# Altium PCB Layout.PcbDoc (part 3 of 4) (continued)
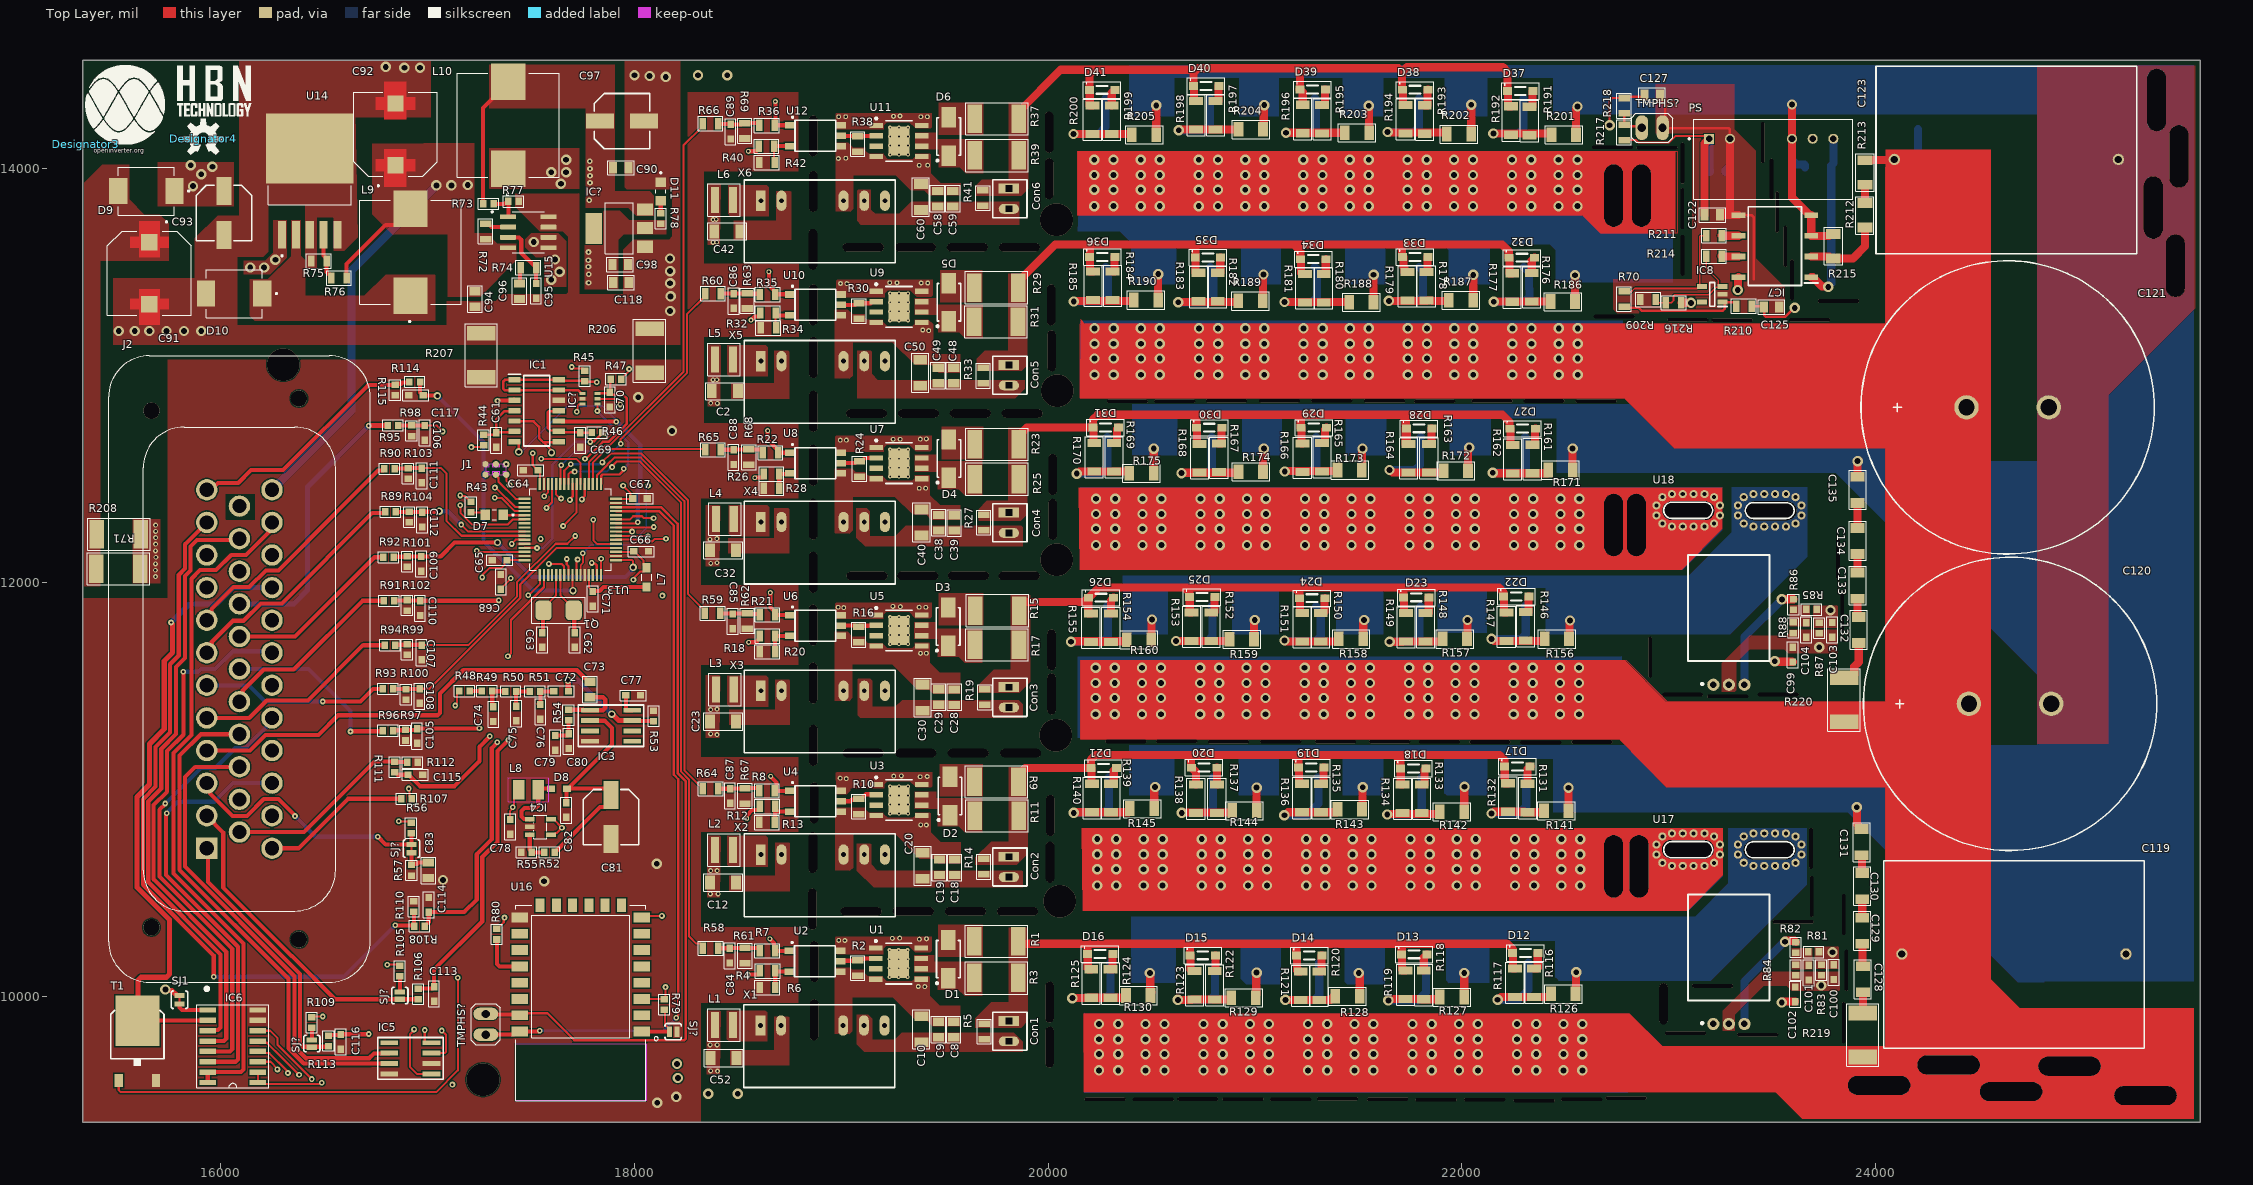
[diagram p0: Top Layer view]
## Nets (pads, with @x,y where several pads share a name; then routed paths per layer and width w, separated by ;. In a path a pad name is that pad's centre, name@x,y a point inside that pad or via, vN(x,y) a via of type N, cw(c..) or ccw(c..) an arc to the next point about the centre after c; other vN are vias at no path point) (continued)
NetQ26_1: Q26.1 R184.2 R185.2 R190.2 | length 616.5
  Top Layer w39.37: v1(20123.89,13356.56) 20125.92,13358.59 20409.7,13358.59 20413.64,13362.53 R190.2@20413.64,13364.35
  Bottom Layer w39.37: v1(20123.89,13356.56) 20265.17,13356.56 20288.23,13379.62 20288.23,13514.35 Q26.1@20278.46,13524.12
NetQ27_1: Q27.1 R191.2 R192.2 R201.2 | length 587.1
  Top Layer w39.37: v1(22151.76,14168.48) 22429.05,14168.48 22432.99,14164.55 R201.2@22432.99,14162.4
  Bottom Layer w39.37: v1(22151.76,14168.48) 22273.48,14168.48 22296.54,14191.55 Q27.1@22296.54,14339.3
NetQ28_1: Q28.1 R193.2 R194.2 R202.2 | length 593
  Top Layer w39.37: v1(21640.51,14176.27) 21642.55,14174.24 21922.54,14174.24 21926.48,14170.3 R202.2@21926.48,14166.34
  Bottom Layer w39.37: v1(21640.51,14176.27) 21768.53,14176.27 21791.6,14199.33 Q28.1@21791.6,14339.3
NetQ29_1: Q29.1 R195.2 R196.2 R203.2 | length 584.1
  Top Layer w39.37: v1(21149.81,14171.85) 21149.95,14171.98 21433.33,14171.98 R203.2@21433.46,14172.11
  Bottom Layer w39.37: v1(21149.81,14171.85) 21270.63,14171.85 21293.7,14194.91 21293.7,14333.24 Q29.1@21287.64,14339.3
NetQ30_1: Q30.1 R197.2 R198.2 R204.2 | length 583.8
  Top Layer w39.37: v1(20631.31,14184.47) 20634.18,14184.47 20638.42,14188.71 R198.2@20715.04,14188.71 20794.47,14188.71 20795.15,14188.03 R197.2@20808.93,14188.03 20919.46,14188.03 R204.2@20920.14,14188.71
  Bottom Layer w39.37: v1(20631.31,14184.47) 20759.63,14184.47 20782.69,14207.53 Q30.1@20782.69,14339.3
NetQ31_1: Q31.1 R199.2 R200.2 R205.2 | length 579
  Top Layer w39.37: v1(20122.52,14166.2) 20122.91,14166.6 R200.2@20214.28,14166.6 ; R200.2@20228.06,14166.59 R199.2@20307.17,14166.59 20400.68,14166.59 R205.2@20404.62,14162.66
  Bottom Layer w39.37: v1(20122.52,14166.2) 20244.56,14166.2 20277.74,14199.39 Q31.1@20277.74,14339.3
NetR2_2: R2.2 U1.2 U2.4 | length 175.8
  Top Layer w20: U2.4@18997.05,10168.86 18999.13,10170.94 19077.84,10170.94 R2.2@19079.93,10173.03 19085.67,10178.78 19113.97,10178.78 19117.48,10182.28 U1.2@19167.32,10182.28
NetR4_1: pad.6@18550.61,10104.47 pad.6@18658.82,11061.95 R4.1 R8.2 U4.1 | length 1245.3
  Top Layer w20: pad.6@18550.61,10104.47 18574.54,10104.46 18601.31,10104.46 18607.06,10110.21 R4.1@18607.06,10120.76 ; pad.6@18658.82,11061.95 18658.82,11061.17 18687.99,11032 18687.99,10992.09 U4.1@18750.98,10992.09
  Mid 1 w20: pad.6@18550.61,10104.47 18516.01,10139.07 18516.01,10878.7 18658.82,11021.51 pad.6@18658.82,11061.95
NetR4_2: R4.2 R6.2 U2.2 | length 148.3
  Top Layer w20: R6.2@18680.19,10041.8 18681.02,10042.64 18681.02,10116.78 18678.94,10118.86 U2.2@18749.02,10118.86
NetR7_2: pad.6@18543.8,10858.5 pad.6@18655.51,10276.93 R7.2 R12.1 U2.1 | length 866.5
  Top Layer w20: pad.6@18543.8,10858.5 18543.8,10873.72 18569.21,10899.13 18599.64,10899.13 18605.38,10904.88 R12.1@18605.38,10916.69 ; pad.6@18655.51,10276.93 18655.51,10275.95 18674.44,10257.01 18674.44,10224.61 R7.2@18680.19,10218.86 U2.1@18749.02,10218.86
  Mid 1 w20: pad.6@18543.8,10858.5 18543.8,10388.63 pad.6@18655.51,10276.93
NetR10_2: R10.2 U3.2 U4.4 | length 186.2
  Top Layer w20: U4.4@18999.02,10942.09 19044.16,10942.09 19050.89,10948.82 19080.07,10948.82 R10.2@19085.34,10954.09 19097.15,10954.09 19119.79,10976.73 19120.89,10975.63 19166.5,10975.63 U3.2@19169.29,10972.83
NetR12_2: R12.2 R13.2 U4.2 | length 148.7
  Top Layer w20: R13.2@18679.14,10839.57 R13.2@18679.14,10851.9 ; R13.2@18679.66,10851.9 R12.2@18679.66,10892.09 ; R12.2@18680.19,10916.69 18679.66,10916.17 R12.2@18679.66,10892.09 ; U4.2@18750.98,10892.09 R12.2@18679.66,10892.09
NetR16_2: R16.2 U5.2 U6.4 | length 175.8
  Top Layer w20: U6.4@18999.02,11790.51 19067.48,11790.51 19073.53,11784.46 R16.2@19085.34,11784.46 19091.09,11790.21 19132.2,11790.21 19132.87,11790.88 19168.43,11790.88 U5.2@19169.29,11791.74
NetR18_1: pad.6@18552.61,11709.57 pad.6@18644.39,12732.9 R18.1 R22.2 U8.1 | length 1347.6
  Top Layer w20: pad.6@18552.61,11709.57 18553.3,11710.26 18588.02,11710.26 18605.77,11728.01 R18.1@18605.77,11739.82 ; pad.6@18644.39,12732.9 18644.39,12689.12 18700.78,12632.74 18700.78,12625.94 U8.1@18750.98,12625.94
  Mid 1 w20: pad.6@18552.61,11709.57 18512.61,11749.57 18512.61,12601.11 pad.6@18644.39,12732.9
NetR18_2: R18.2 R20.2 U6.2 | length 147
  Top Layer w20: R20.2@18680.19,11663.68 18680.73,11664.22 18680.73,11739.97 R18.2@18681.26,11740.51 U6.2@18750.98,11740.51
NetR21_2: pad.6@18582.7,12505.28 pad.6@18657.81,11950.21 R21.2 R26.1 U6.1 | length 865.7
  Top Layer w20: pad.6@18582.7,12505.28 18583.39,12505.98 18620.42,12505.98 18626.17,12511.73 R26.1@18626.17,12523.36 R26.1@18625.38,12524.15 ; pad.6@18657.81,11950.21 18657.81,11878.02 18682.39,11853.44 18682.39,11841.63 18749.86,11841.63 U6.1@18750.98,11840.51
  Mid 1 w20: pad.6@18582.7,12505.28 18543.09,12465.67 18543.09,12064.94 pad.6@18657.81,11950.21
NetR24_2: R24.2 U7.2 U8.4 | length 180.6
  Top Layer w20: U8.4@18999.02,12575.94 19067.25,12575.94 19076.67,12585.37 R24.2@19088.48,12585.37 19100.29,12585.37 19114.71,12599.78 19168.12,12599.78 U7.2@19169.29,12600.94
NetR26_2: R26.2 R28.2 U8.2 | length 112.7
  Top Layer w20: R28.2@18700.97,12454.17 R26.2@18700.97,12523.36 ; R26.2@18709.65,12520.77 18712.23,12523.36 18748.4,12523.36 U8.2@18750.98,12525.94
NetR30_2: R30.2 U9.2 U10.4 | length 176.5
  Top Layer w20: U10.4@18999.02,13340.71 19066.53,13340.71 19074.25,13348.43 R30.2@19086.06,13348.43 19142.32,13348.43 19149.61,13355.71 U9.2@19169.29,13355.71
NetR32_1: pad.6@18564.26,13267.24 pad.6@18682.3,14323.38 R32.1 R36.2 U12.1 | length 1393.2
  Top Layer w20: pad.6@18564.26,13267.24 18565.25,13267.24 18581.8,13283.8 18602.52,13283.8 18608.06,13289.34 R32.1@18608.06,13301.56 ; pad.6@18682.3,14323.38 18682.3,14215.77 18689.71,14208.37 18750.26,14208.37 U12.1@18750.98,14207.64
  Mid 1 w20: pad.6@18564.26,13267.24 18564.26,13334.44 18511.96,13386.74 18511.96,14153.05 pad.6@18682.3,14323.38
NetR32_2: R32.2 R34.2 U10.2 | length 135.5
  Top Layer w10: R32.2@18683.08,13301.35 18683.08,13231.62 R34.2@18685.36,13229.34
  Top Layer w20: R32.2@18688.98,13289.37 18689.65,13290.04 18750.32,13290.04 U10.2@18750.98,13290.71
NetR35_2: pad.6@18551.91,14082.31 pad.6@18650.8,13500.23 R35.2 R40.1 U10.1 | length 878.2
  Top Layer w20: pad.6@18551.91,14082.31 18552.6,14083 18588.68,14083 18601.51,14095.83 R40.1@18601.51,14107.64 ; pad.6@18650.8,13500.23 18650.8,13433.52 18681.8,13402.52 R35.2@18681.8,13390.71 ; R35.2@18679.21,13393.7 R35.2@18680.71,13392.2 ; R35.2@18687.89,13392.2 18749.49,13392.2 U10.1@18750.98,13390.71
  Mid 1 w20: pad.6@18551.91,14082.31 18551.91,13599.12 pad.6@18650.8,13500.23
NetR38_2: R38.2 U11.2 U12.4 | length 171.9
  Top Layer w20: U12.4@18999.02,14157.64 19000.1,14156.56 19079.18,14156.56 R38.2@19080.26,14155.47 19081.15,14156.36 19168.41,14156.36 U11.2@19169.3,14157.24
NetR40_2: R40.2 R42.2 U12.2 | length 141.7
  Top Layer w10: R40.2@18676.31,14107.64 18676.31,14030.54 R42.2@18678.17,14028.68
  Top Layer w20: R40.2@18688.99,14107.64 U12.2@18750.98,14107.64
NetR48_2: R48.2 R49.1 | length 57
  Top Layer w20: R48.2@17205.64,11474.52 17205.7,11474.45 17262.5,11474.45 R49.1@17262.57,11474.38
NetR72_1: R72.1 U15.2 | length 115.4
  Top Layer w20: R72.1@17281.64,13733.05 17287.39,13727.31 17299.2,13727.31 17309.78,13716.73 U15.2@17390.28,13716.73
NetR73_1: R73.1 R77.2 U15.1 | length 166.1
  Top Layer w20: R73.1@17333.14,13828.84 17373.99,13828.84 17378.49,13833.33 17385.71,13833.33 17391.46,13839.08 R77.2@17391.46,13841.05 17391.46,13767.91 U15.1@17390.28,13766.73 U15.1@17417.05,13766.73
NetR75_2: R75.2 R76.1 U14.4 | length 227.4
  Top Layer w20: U14.4@16498.54,13679.72 16498.54,13579.53 16513.5,13564.57 R75.2@16513.5,13552.75 16513.5,13499.55 16525.22,13487.83 16529.7,13487.83 16535.45,13482.08 R76.1@16535.45,13470.27
NetR79_2: R79.2 SJ?.1@18170.58,9828.36 U16.1 | length 238.6
  Top Layer w10: R79.2@18148.93,9933.52 18148.93,9862.51 18164.46,9846.98 SJ?.1@18164.46,9829.1
  Top Layer w20: U16.1@18036.84,9828.87 18037.07,9829.1 SJ?.1@18164.46,9829.1
NetR80_2: R80.2 U16.18 | length 234.9
  Top Layer w20: R80.2@17336.65,10275.94 17336.65,10155.55 17348.36,10143.83 U16.18@17446.29,10143.83
NetR82_2: R82.2 U17.3 | length 538.4
  Top Layer w39.37: v1@23561.03,10267.43 23607.35,10267.43 R82.2@23613.25,10261.53
  Bottom Layer w39.37: U17.3@23365.16,9865.56 23365.16,10071.56 23551.18,10257.58 23552.46,10257.58 23561.03,10266.15 v1@23561.03,10267.43
  other v1: 23560.65,10262.9
NetR86_2: R86.2 U18.3 | length 539
  Top Layer w39.37: v1@23550.55,11918.15 R86.2@23602.36,11918.15
  Bottom Layer w39.37: U18.3@23365.16,11504.92 23365.16,11736.55 v1(23545.84,11917.23)
NetR105_1: R105.1 SJ?.2@16867.13,10020.51 | length 74.6
  Top Layer w20: SJ?.2@16867.13,10020.51 R105.1@16867.13,10095.14
NetR109_1: R109.1 SJ?.2@16441.93,9788.56 | length 59
  Top Layer w20: SJ?.2@16441.93,9788.56 R109.1@16441.93,9847.57
NetR212_2: R212.2 R213.1 | length 88.6
  Top Layer w39.37: R212.2@23947.51,13832.81 23947.67,13832.97 23947.67,13921.1 R213.1@23947.83,13921.26
NetR217_2: R217.2 R218.1 TMPHS?.1@22869.28,14196.85 | length 168.2
  Top Layer w12: R218.1@22783.52,14254.88 22783.52,14203.54 22860.9,14203.54 22883.07,14181.37 TMPHS?.1@22883.07,14173.23
OUT_BRAKE: IC6.11 J2.22 | length 2874.4
  Top Layer w20: IC6.11@15939.1,9832.87 15942.1,9835.87 15989.24,9835.87 16000.95,9847.59 16000.95,10201.5 15651.36,10551.09 15651.36,10939.93 15714.1,11002.67 15714.1,11194.82 15785.43,11266.15 15785.43,11591.2 15828.72,11634.49 15828.72,12020.52 15829.27,12021.07 15829.27,12029.61 15856.24,12056.57 15856.24,12173.17 15886.81,12203.74 16085.15,12203.74 J2.22@16091.93,12210.52
OUT_DCSW: IC6.10 J2.32 T1.4 | length 3097.6
  Top Layer w20: T1.4@15601.37,9882.87 IC6.10@15939.1,9882.87
  Top Layer w25: T1.4@15598.43,9879.93 15601.37,9882.87 15601.37,10076.89 15616.02,10091.54 15739.45,10091.54 15754.1,10106.18 15754.1,10369.01 15596.89,10526.21 15596.89,10962.49 15656.89,11022.48 15656.89,11218.96 15728.41,11290.48 15728.41,11620.14 15769.31,11661.04 15769.31,11796.99 15761.52,11804.78 v2(15761.52,11805.47)
  Bottom Layer w25: v2(15761.52,11805.47) 15850.67,11894.63 15981.77,11894.63 16061.43,11974.3 J2.32@16249.41,11974.3
OUT_ERR: IC6.12 J2.30 | length 2544.7
  Top Layer w20: v2(15820.83,11567.58) 15820.83,11263.13 15741.48,11183.77 15741.48,10987.38 15677.35,10923.25 15677.35,10565.13 16028.44,10214.04 16028.44,9794.59 16016.72,9782.87 IC6.12@15939.1,9782.87
  Bottom Layer w20: v2(15820.83,11567.58) 15892.08,11567.58 15905.4,11580.9 15974.6,11580.9 16060.39,11666.69 16242.06,11666.69 J2.30@16249.41,11659.34
OUT_OVTMP: IC6.13 J2.28 | length 2163.1
  Top Layer w20: v2(15734.09,10930.88) 15734.09,10928.83 15706.15,10900.89 15706.15,10578.28 16057.48,10226.96 16057.48,9744.59 16045.76,9732.87 IC6.13@15939.1,9732.87
  Bottom Layer w20: v2(15734.09,10930.88) 15906.12,11102.91 15975.19,11102.91 16070.26,11197.98 16119.95,11197.98 16249.41,11327.44 J2.28@16249.41,11344.38
OUT_PRE: IC6.15 IC6.16 J2.34 | length 3296.9
  Top Layer w20: IC6.16@15939.1,9582.87 IC6.15@15939.1,9632.87 16099.98,9632.87 16111.69,9644.59 16111.69,10253.75 15773.2,10592.24 15773.2,11175.4 15859.87,11262.07 15859.87,12017 15901.93,12059.06 15979.33,12059.06 16052.5,12132.22 16124.14,12132.22 16233.46,12241.54 16233.46,12273.31 J2.34@16249.41,12289.26
OUT_TEMP: IC6.14 J2.26 | length 2054.9
  Top Layer w20: v2(15740.44,10883.7) 15738.99,10882.26 15738.99,10876.91 15737.75,10875.67 15737.75,10586.03 16084.96,10238.81 16084.96,9694.59 16073.24,9682.87 IC6.14@15939.1,9682.87
  Bottom Layer w20: v2(15740.44,10883.7) 15740.44,10885.12 15794.91,10939.59 15970.57,10939.59 16060.39,11029.42 J2.26@16249.41,11029.42
PA1/TIM2_CH2: IC1.1 IC1.2 IC1.13 IC1.14 IC?.1@17749.92,12912.24 R45.1 U13.15 | length 1909.6
  Top Layer w12: IC?.1@17751.88,12912.24 17744.99,12912.24 17729.63,12927.61 17650.75,12927.61 17446.03,12927.61 17374.86,12927.61 17367.83,12934.64 17367.83,12970.58 17374.86,12977.61 17446.03,12977.61 17650.75,12977.61 17653.92,12974.44 17757.65,12974.44 R45.1@17760.82,12971.27 17762.85,12969.24 17816.69,12969.24 v2(17818.72,12967.2) ; v2(17794.11,12093.34) 17797.08,12090.36 17810.34,12090.36 17819.72,12080.98 U13.15@17819.72,12033.98
  Mid 1 w12: v2(17794.11,12093.34) 17794.11,12141.7 17838.38,12185.98 17838.38,12519.8 17820.31,12537.88 17820.31,12612.69 17822.28,12614.67 17822.28,12755.61 17768.53,12809.36 17768.53,12909.2 17819.1,12959.77 v2@17819.1,12967.96
PA2/ADC2: C110.2 R91.2 R102.2 U13.16 | length 1250.2
  Top Layer w10: U13.16@17839.72,12033.98 v2(17839.68,12114.08)
  Top Layer w20: R91.2@16840.89,11910.38 16842.86,11912.35 16900.28,11912.35 R102.2@16902.24,11914.31 16904.21,11912.35 16963.29,11912.35 C110.2@16965.26,11910.38 16965.85,11910.97 17344.06,11910.97 v2(17345.44,11912.35)
  Mid 2 w20: v2(17345.44,11912.35) 17421.75,11912.35 17426,11908.1 17770.48,11908.1 17839.68,11977.3 v2(17839.68,12114.08)
PA3/ADC3: C109.2 IC?.3@17749.92,12861.06 R92.2 R101.2 U13.17 | length 2348.9
  Top Layer w10: v2(17721.72,12823.67) 17725.08,12827.03 17725.08,12852.33 17730.94,12858.19 17749.01,12858.19 IC?.3@17751.88,12861.06 ; U13.17@17912.72,12106.98 17988.92,12106.98 17994.78,12101.12 v5(17994.78,12071.86)
  Top Layer w20: R92.2@16838.62,12120.85 16841.08,12123.31 16900.3,12123.31 R101.2@16902.76,12125.77 16903.25,12125.28 16971.17,12125.28 C109.2@16971.66,12124.79 17064.75,12124.79 17131.93,12191.97 v5(17339.24,12191.97)
  Mid 2 w10: v2(17721.72,12823.67) 17762.49,12782.91 17762.49,12668.07 17786.65,12643.91 17786.65,12457.68 17777.39,12448.42 17777.39,12252.44 17957.98,12071.86 v5(17994.78,12071.86)
  Bottom Layer w20: v5(17339.24,12191.97) 17505.88,12025.33 17958.13,12025.33 17987.06,12054.27 17987.06,12059.96 17994.78,12067.68 v5(17994.78,12071.86)
PA4/ADC4: C108.2 R93.2 R100.2 U13.20 | length 1397.5
  Top Layer w10: C108.2@16962.4,11485.51 17010.73,11485.51 17448.99,11923.77 17448.99,11989.45 17625.78,12166.24 U13.20@17912.46,12166.24
  Top Layer w20: R93.2@16836.42,11484.93 16836.91,11484.44 16896.61,11484.44 R100.2@16897.11,11483.95 16897.89,11484.73 16961.62,11484.73 C108.2@16962.4,11485.51
PA5/ADC5: C100.2 IC1.5 IC1.8 R81.1 R83.2 U13.21 | length 10057.4
  Top Layer w10: 17552.56,12684.64 17559.59,12677.61 17595.1,12642.09 17595.1,12630.96 v5(17599.96,12626.1) ; v2(17802.15,12301.75) 17802.15,12202.92 17819.1,12185.98 U13.21@17912.72,12185.98
  Top Layer w12: IC1.5@17446.03,12777.61 17513.72,12777.61 17540.33,12751 17540.33,12696.86 17552.56,12684.64 ; 17559.59,12677.61 IC1.8@17650.75,12677.61
  Mid 1 w10: v5(17599.96,12626.1) 17599.96,12405.08 17703.29,12301.75 v2(17802.15,12301.75)
  Mid 2 w10: v2(17802.15,12301.75) 17896.02,12301.75 18263.53,11934.25 18263.53,9706.03 18470.89,9498.67 ; v1(18500.28,9528.06) 18470.89,9498.67 ; v1(23790.46,10212.34) 23797.02,10205.78 23797.02,9906.58 23330.37,9439.94 18529.62,9439.94 18470.89,9498.67
PA6/TIM3_CH1: C116.2 R113.2 U13.22 | length 4016.1
  Top Layer w10: U13.22@17912.72,12205.98 18031.49,12205.98 18039.26,12198.2 18088.35,12198.2 18099.83,12209.68 v2(18153.4,12209.68)
  Top Layer w20: R113.2@16522.64,9809.65 16525.18,9812.19 16580.15,9812.19 C116.2@16582.68,9814.72 16583.77,9815.81 16715.73,9815.81 v2(16716.82,9816.9)
  Mid 1 w10: v2(17121.46,9572.81) 17121.46,9613.91 17194.19,9686.64 17194.19,9962.82 17261.82,10030.45 17261.82,11021.55 17459.71,11219.44 17459.71,11238.28 17710.08,11488.65 17710.08,11574.8 18153.67,12018.4 18153.67,12209.41 v2(18153.4,12209.68)
  Mid 2 w20: v2(16716.82,9816.9) 16877.37,9816.9 v2(17121.46,9572.81)
PA7/TIM3_CH2: C113.2 R106.2 U13.23 | length 2828.4
  Top Layer w10: U13.23@17912.72,12224.98 17913.22,12224.48 18065.19,12224.48 v2(18066.7,12222.97)
  Top Layer w20: R106.2@16956.78,10036.25 C113.2@17025.3,10036.25 ; C113.2@17033.1,10046.01 17033.1,10128.53 17265.51,10360.94 17265.51,10672.21 17338.96,10745.66 17338.96,11184.87 v2(17392.28,11238.18)
  Mid 1 w20: v2(17392.28,11238.18) 17392.28,11335.05 18066.7,12009.48 v2(18066.7,12222.97)
PA8/TIM1_CH1: R58.1 U13.41 | length 2909.6
  Top Layer w10: U13.41@17681.72,12475.98 17681.72,12521.91 17691.42,12531.61 17708.3,12531.61 v2(17711.66,12534.97) ; v2(17892.78,12556.89) 17892.78,12561.64 17914.02,12582.88 18027.91,12582.88 18226.15,12384.64 18226.15,11084.68 18264.68,11046.15 18264.68,10289.46 18300.47,10253.66 18320.75,10253.66 18331.5,10242.91 R58.1@18331.5,10231.1
  Bottom Layer w10: v2(17711.66,12534.97) 17866.92,12534.97 17888.84,12556.89 v2(17892.78,12556.89)
PA8/TIM1_CH1-Filtered: C84.2 R7.1 R58.2 R61.2 | length 210.7
  Top Layer w20: R58.2@18406.3,10231.1 C84.2@18461.85,10231.1 18462.83,10232.09 18534.12,10232.09 R61.2@18535.11,10233.07 18599.64,10233.07 18605.39,10227.32 R7.1@18605.39,10218.86
PA9/TIM1_CH2: R59.1 U13.42 | length 1371.2
  Top Layer w10: U13.42@17661.72,12475.98 17661.72,12539.32 v2(17692.72,12570.32) ; v2(17846.07,12579.1) 17846.07,12581.82 17886.07,12621.82 18035.04,12621.82 18259.2,12397.66 18259.2,11943.85 18341.35,11861.7 R59.1@18341.35,11849.89
  Bottom Layer w10: v2(17692.72,12570.32) 17832.54,12570.32 17841.32,12579.1 v2(17846.07,12579.1)
PA9/TIM1_CH2-Filtered: C85.2 R21.1 R59.2 R62.2 | length 196.7
  Top Layer w20: R59.2@18416.15,11849.89 18417.81,11848.23 18475.09,11848.23 C85.2@18476.74,11846.58 18478.84,11848.68 18543.46,11848.68 R62.2@18545.56,11850.78 18549.57,11846.77 18602.45,11846.77 R21.1@18606.46,11842.75
PA10/TIM1_CH3: R60.1 U13.43 | length 1316.2
  Top Layer w10: U13.43@17642.72,12475.98 17642.72,12556.16 17647.18,12560.62 v2(17647.18,12565.37) ; v2(17934.22,12670.13) 17934.22,12690.99 18254.25,13011.02 18254.25,13294.3 18343.32,13383.36 R60.1@18343.32,13395.18
  Bottom Layer w10: v2@17647.18,12565.84 17714.51,12633.16 17897.65,12633.16 17934.22,12669.73 v2(17934.22,12670.13)
PA10/TIM1_CH3-Filtered: C86.2 R35.1 R60.2 R63.2 | length 193.3
  Top Layer w20: R60.2@18418.12,13395.18 18418.37,13394.93 18481.1,13394.93 C86.2@18481.34,13394.68 18482.9,13396.24 18544.86,13396.24 R63.2@18546.41,13397.8 18549.96,13394.25 18603.45,13394.25 R35.1@18606.99,13390.71
PA11/CANRX: IC5.4 U13.44 | length 3097.5
  Top Layer w10: v2(16987.7,9835.87) 16987.7,9781.35 16994.51,9774.54 IC5.4@17020.58,9774.54 ; U13.44@17622.72,12475.98 17622.72,12423.56 17641.45,12404.83 v2(17646.21,12404.83)
  Mid 2 w10: v2(16987.7,9835.87) 16987.7,9840.62 16971.75,9856.58 16971.75,11632.25 17302.03,11962.54 17419.27,11962.54 17596.67,12139.94 17596.67,12258.21 17646.21,12307.75 v2(17646.21,12404.83)
PA12/CANTX: IC5.1 U13.45 | length 3289.5
  Top Layer w10: v2(16936.01,9838.92) 16936.01,9836.12 16917.06,9817.17 16917.06,9656.79 16949.31,9624.54 IC5.1@17020.58,9624.54 ; v2(17575.98,12359.06) 17602.72,12385.8 U13.45@17602.72,12475.98
  Mid 2 w10: v2(16936.01,9838.92) 16936.01,9841.98 16954.83,9860.8 16954.83,11641.26 17294.88,11981.31 17413.44,11981.31 17575.98,12143.85 v2(17575.98,12359.06)
PB0/ADC8: C103.2 IC1.7 IC1.10 R85.1 R87.2 U13.26 | length 12395.6
  Top Layer w10: v5(17441.66,12630.37) 17441.66,12673.24 IC1.7@17446.03,12677.61 ; U13.26@17912.72,12284.98 18006.39,12284.98 18011.79,12290.38 v2(18016.55,12290.38)
  Top Layer w20: IC1.10@17650.75,12777.61 17652.02,12776.34 17911.35,12776.34 v2(17912.62,12775.07)
  Mid 1 w20: v2(18016.55,12290.38) 18016.55,12334.25 18030.75,12348.46 18115.43,12348.46 18191.11,12272.77 18191.11,11990.93 v2(18136.08,11935.9)
  Mid 2 w10: v2(18136.08,11935.9) 18180.72,11935.9 18244.86,11871.75 18244.86,9695.94 18384.24,9556.56 ; v1(18357.5,9528.45) 18384.24,9555.19 18384.24,9556.56 ; v1(23781.02,11864.69) 23781.02,11857.03 23799.21,11838.83 23799.21,10254.48 23826.45,10227.24 23826.45,9913.41 23799.21,9886.17 23799.21,9880.91 23342.26,9423.95 18516.85,9423.95 18384.24,9556.56
  Bottom Layer w10: v5(17441.66,12630.37) 17446.53,12635.24 17460.67,12635.24 17677.8,12852.37 17844.72,12852.37 17909.26,12787.83 17909.26,12778.43 v2(17912.62,12775.07)
  Bottom Layer w20: v2(17912.62,12775.07) 17914.07,12773.62 17919.56,12773.62 18028.98,12664.2 18028.98,12484.53 18016.55,12472.1 v2(18016.55,12290.38)
PB1/ADC9: IC6.1 IC6.2 U13.27 | length 4309.4
  Top Layer w10: IC6.2@16181.1,9632.87 IC6.1@16181.1,9582.87 16189.1,9574.87 16221.68,9574.87 16221.96,9574.6 16479.2,9574.6 16485.54,9580.94 v2(16490.29,9580.94) ; U13.27@17912.72,12303.98 17979.78,12303.98 17994.78,12318.98 18037.24,12318.98 18046.19,12310.03 v2(18093.4,12310.03)
  Mid 1 w10: v2(16490.29,9580.94) 17062.9,9580.94 17178.21,9696.25 17178.21,9971.01 17245.83,10038.63 17245.83,11028.17 17440.62,11222.95 17440.62,11231.23 17441.47,11232.08 17441.47,11329.01 18123.54,12011.08 18123.54,12279.9 v2(18093.4,12310.03)
PB5: C112.2 R89.2 R104.2 U13.57 | length 665.8
  Top Layer w10: v2@17164.14,12278.59 17197.75,12244.98 U13.57@17470.72,12244.98
  Top Layer w20: R89.2@16847.65,12340.33 R104.2@16912.74,12340.33 16913.73,12339.35 16974.75,12339.35 C112.2@16975.74,12338.36 16978.3,12340.93 17054.5,12340.93 v5(17057.07,12343.5)
  Bottom Layer w20: v5(17057.07,12343.5) 17098.83,12343.5 v2(17163.32,12279.01)
PB6/TIM4_CH1: C111.2 R90.2 R103.2 U13.58 | length 899.6
  Top Layer w10: C111.2@16972.65,12551.56 17066.64,12551.56 17092.23,12525.97 17092.23,12297.67 17164.93,12224.98 U13.58@17470.72,12224.98
  Top Layer w20: R90.2@16841.92,12548.34 16843.77,12550.2 16905.34,12550.2 R103.2@16907.2,12552.05 16907.69,12551.56 C111.2@16972.65,12551.56
PB7/TIM4_CH2: R44.1 U13.59 | length 683.6
  Top Layer w10: v2(17213.09,12653.43) 17263.83,12653.43 R44.1@17272.07,12661.67 ; v2(17408.22,12185.35) 17408.22,12187.48 17426.72,12205.98 U13.59@17470.72,12205.98
  Mid 1 w10: v2(17213.09,12653.43) 17213.09,12380.48 v2(17408.22,12185.35)
PB8/TIM4_CH3: R46.1 U13.61 | length 817.7
  Top Layer w12: U13.61@17470.72,12165.98 17470.9,12165.8 17529.86,12165.8 v2(17530.04,12165.62) ; v2(17787.25,12678.33) 17790.23,12681.31 17805.95,12681.31 17846.55,12721.91 R46.1@17846.55,12723.88
  Bottom Layer w12: v2(17530.04,12165.62) 17558.64,12165.62 17602.72,12209.7 17602.72,12566.28 17715.32,12678.87 17786.71,12678.87 v2(17787.25,12678.33)
PB9/TIM4_CH4: IC6.3 U13.62 | length 3873
  Top Layer w10: IC6.3@16181.1,9682.87 16242.42,9682.87 16275.62,9649.67 v2(16275.62,9645.6) ; v2(17238.94,12152.35) 17242.3,12148.99 17251.07,12148.99 17253.58,12146.48 17470.22,12146.48 U13.62@17470.72,12146.98
  Mid 1 w10: v2(16275.62,9645.6) 16305.33,9645.6 16316.19,9656.46 17031.84,9656.46 17058.25,9682.87 17058.69,9682.87 17114.27,9738.46 17114.27,10007.95 17178.21,10071.89 17178.21,11324.35 17414.44,11560.58 17414.44,11784.36 17192.84,12005.96 17192.84,12106.25 v2(17238.94,12152.35)
PB10/USART3_TX: TMPHS?.2@17282.76,9813.95 U13.29 U16.22 | length 3652.3
  Top Layer w12: U13.29@17912.72,12343.98 18120.47,12343.98 18191.18,12273.26 18191.18,11069.69 18212.75,11048.13 18212.75,9909.79 18202.36,9899.41 v2(18202.36,9895.2)
  Top Layer w20: TMPHS?.2@17282.76,9813.95 17415.62,9813.95 17430.54,9828.87 U16.22@17446.29,9828.87 17537.24,9828.87 17540.84,9832.47 v2(17542.88,9832.47)
  Bottom Layer w12: v2(17542.88,9832.47) 18139.63,9832.47 v2(18202.36,9895.2)
PB11/USART3_RX: TMPHS?.1@17282.76,9913.95 U13.30 U16.21 | length 3864.8
  Top Layer w12: U16.21@17446.29,9907.61 17456.54,9917.87 17579.51,9917.87 17710.73,9786.65 18061.83,9786.65 18062.58,9785.9 18240.66,9785.9 18247.69,9792.93 18247.69,11039.12 18209.17,11077.64 18209.17,12282.72 18128.92,12362.98 U13.30@17912.72,12362.98
  Top Layer w20: TMPHS?.1@17282.76,9913.95 17285.93,9910.78 17443.11,9910.78 U16.21@17446.29,9907.61
PB12/TIM1_BKIN: IC?.4@17822.76,12861.06 U13.33 | length 554.7
  Top Layer w12: v2(17821.92,12827.61) 17822.34,12828.03 17822.34,12859.19 17824.21,12861.06 IC?.4@17824.72,12861.06 ; U13.33@17839.72,12475.98 17840.22,12476.48 17840.22,12513.74 17847.25,12520.77 17927.95,12520.77 17952.92,12545.74 v2@17952.92,12551.56
  Bottom Layer w12: v2(17821.92,12827.61) 17821.92,12825.71 17972.08,12675.55 17972.08,12571.73 v2(17949.5,12549.15)
PC0/ADC10: C114.2 R108.2 U13.8 | length 2241.3
  Top Layer w10: v2(17673.5,12112.4) 17673.79,12112.1 17673.79,12086.55 17681.72,12078.62 U13.8@17681.72,12033.98
  Top Layer w20: R108.2@16987.12,10337.98 16987.12,10339.95 16992.86,10345.7 16994.32,10345.7 17006.8,10358.18 C114.2@17006.8,10405.9 17178.21,10405.9 17239.12,10466.81 17239.12,10685.96 17311.56,10758.4 17311.56,11199.6 v2@17338.71,11226.75
  Mid 1 w20: v2(17338.05,11227.53) 17365.26,11254.74 17365.26,11348.25 17669.39,11652.38 17669.39,12106.24 17673.5,12110.35 v2(17673.5,12112.4)
PC1/ADC11: C117.2 R114.2 U13.9 | length 1544
  Top Layer w10: U13.9@17701.72,12033.98 17702.22,12033.48 17702.22,11961.36 v5(17704.13,11959.46)
  Top Layer w20: R114.2@16964.91,12967.96 16964.91,12916.39 16978.55,12902.75 C117.2@16980.52,12902.75 16981.34,12901.92 17047.68,12901.92 v5(17048.5,12901.1)
  Bottom Layer w20: v5(17048.5,12901.1) 17271.66,12677.94 17271.66,12197.76 17509.97,11959.46 v5(17704.13,11959.46)
PC2/ADC12: C115.2 R111.2 U13.10 | length 1825.4
  Top Layer w10: U13.10@17721.72,12033.98 17721.72,12100.96 17726,12105.23 v2(17726,12109.98)
  Top Layer w20: R111.2@16842.32,11082.44 16844.29,11082.44 16857.03,11069.7 C115.2@16906.68,11069.7 16908.65,11069.7 16963.85,11014.5 17131.31,11014.5 17252.09,11135.28 17252.09,11204.84 v2@17300.76,11253.5
  Mid 1 w20: v2(17301.45,11256.19) 17301.45,11258.24 17331.18,11287.97 17331.18,11350.92 17643.41,11663.15 17643.41,12133.56 17655.45,12145.6 17690.38,12145.6 v2(17726,12109.98)
PC3/ADC13: C125.2 R210.2 U13.11 | length 9438.2
  Top Layer w8: U13.11@17740.72,12033.98 17740.72,12082.71 17752.25,12094.24 17752.25,12138.78 v2(17750.6,12140.42)
  Top Layer w12: R210.2@23399.19,13334.65 23454.05,13334.65 C125.2@23458.4,13330.29 23460.56,13328.13 23460.56,13291.3 23467.59,13284.27 23563.38,13284.27 23605.01,13325.91 v1(23608.48,13325.91)
  Mid 2 w8: v1(18308.26,14450.44) 18343.29,14415.41 18345.94,14415.41
  Mid 2 w10: v2(18066.12,12466.36) 18090.12,12466.36 18258.13,12634.38 18258.13,14327.61 18345.94,14415.41 18400.65,14470.12 18416.95,14486.43 18432.52,14501.99 23218.68,14501.99 23401.67,14319 23401.67,13337.62 23413.38,13325.91 v1(23608.48,13325.91)
  Bottom Layer w8: v2(17750.6,12140.42) 17792.27,12182.09 17978.38,12182.09 18057.41,12261.12 18057.41,12452.36 18066.12,12461.07 v2(18066.12,12466.36)
PC4/ADC14: C127.2 R218.2 U13.24 | length 7301.7
  Top Layer w8: U13.24@17912.76,12244.94 v2(17989.42,12244.91)
  Top Layer w10: v1(22713.58,14208.66) 22713.58,14326.73 22727.08,14340.23 R218.2@22783.52,14340.23
  Top Layer w12: R218.2@22783.52,14340.23 22790.74,14347.44 22873.03,14347.44 C127.2@22881.95,14356.36
  Mid 2 w10: v2(17989.42,12244.91) 17988.17,12246.16 17988.17,12332.34 18279.44,12623.61 18279.44,14214.94 18481.34,14416.84 ; v1(18449.84,14450.44) 18481.34,14418.94 18481.34,14416.84 ; v1(22713.58,14208.66) 22713.58,14454.13 22701.87,14465.85 18530.35,14465.85 18481.34,14416.84